# Altium PCB MEA_CLDP.PcbDoc (part 1 of 3)
Units mm, origin at the board's own origin, x right, y up, seen from the top; angles counter-clockwise.
Board outline 188.25 x 87.5 mm, 4 copper layers (Top Copper Layer, Internal Copper Layer 1, Internal Copper Layer 2, Bottom Copper Layer), stack 1.58 mm thick; 138 components, 326 nets, 1047 pads, 188 vias.
Unrouted connection lines stored in the file: 1.
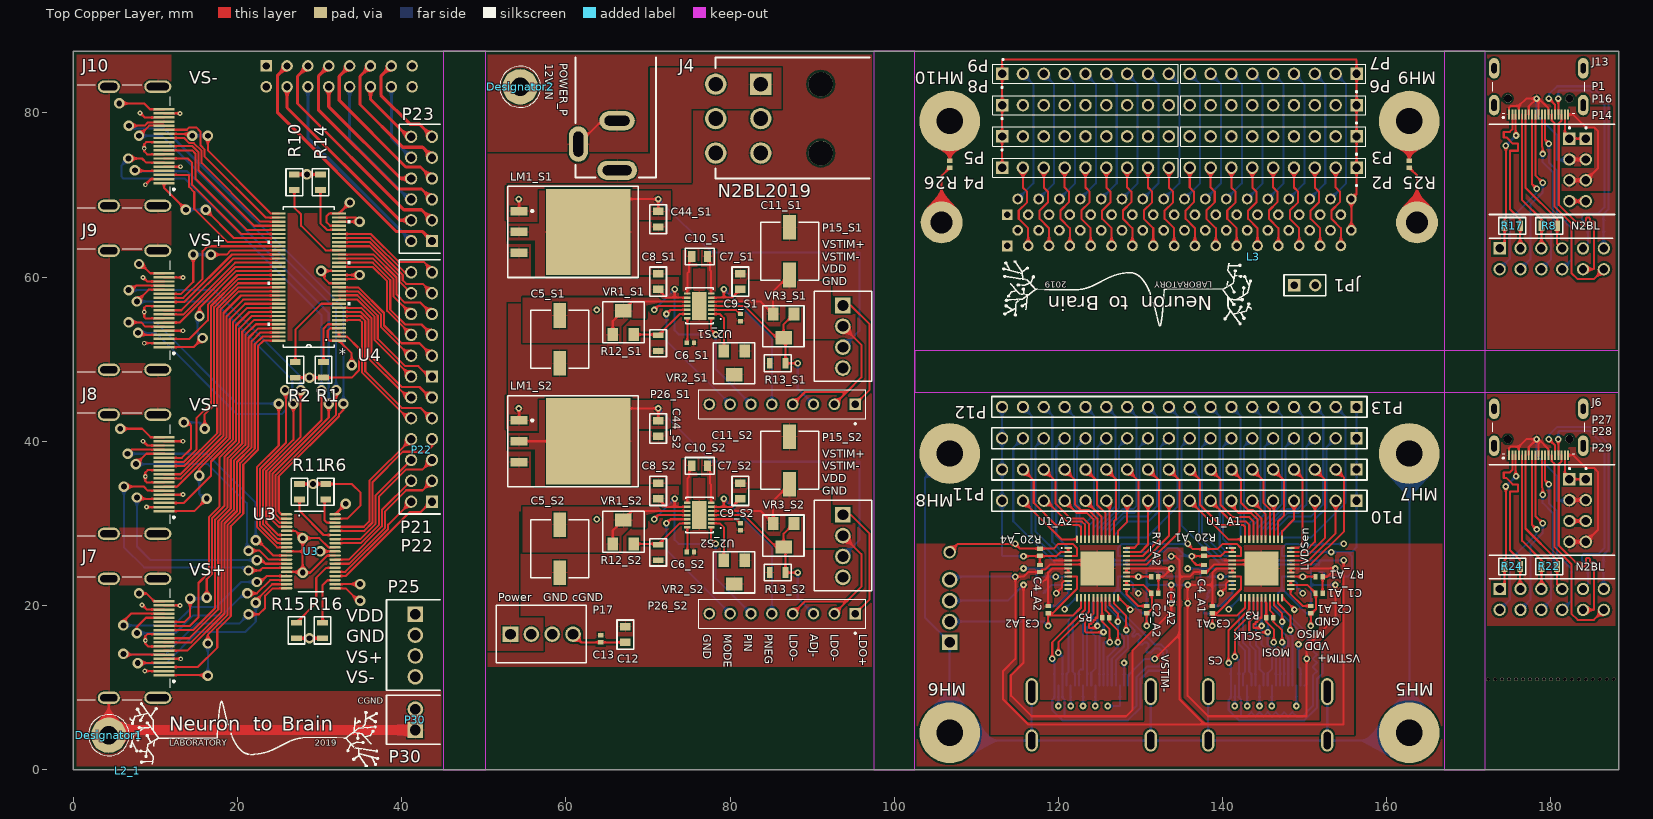
[diagram p0: Top Copper Layer view]
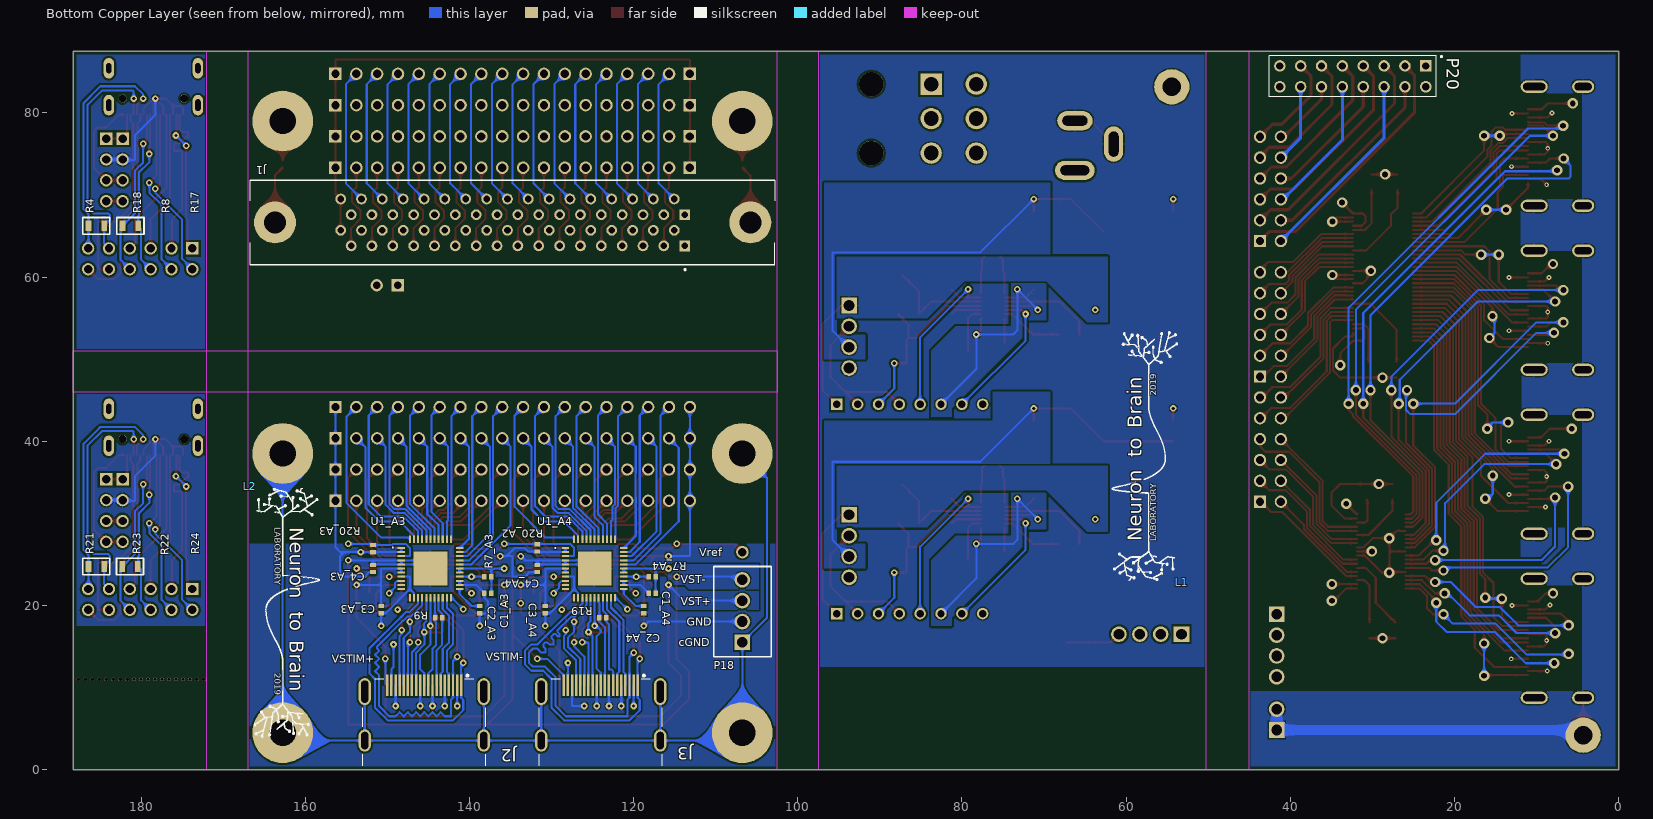
[diagram p1: Bottom Copper Layer view, seen from below]
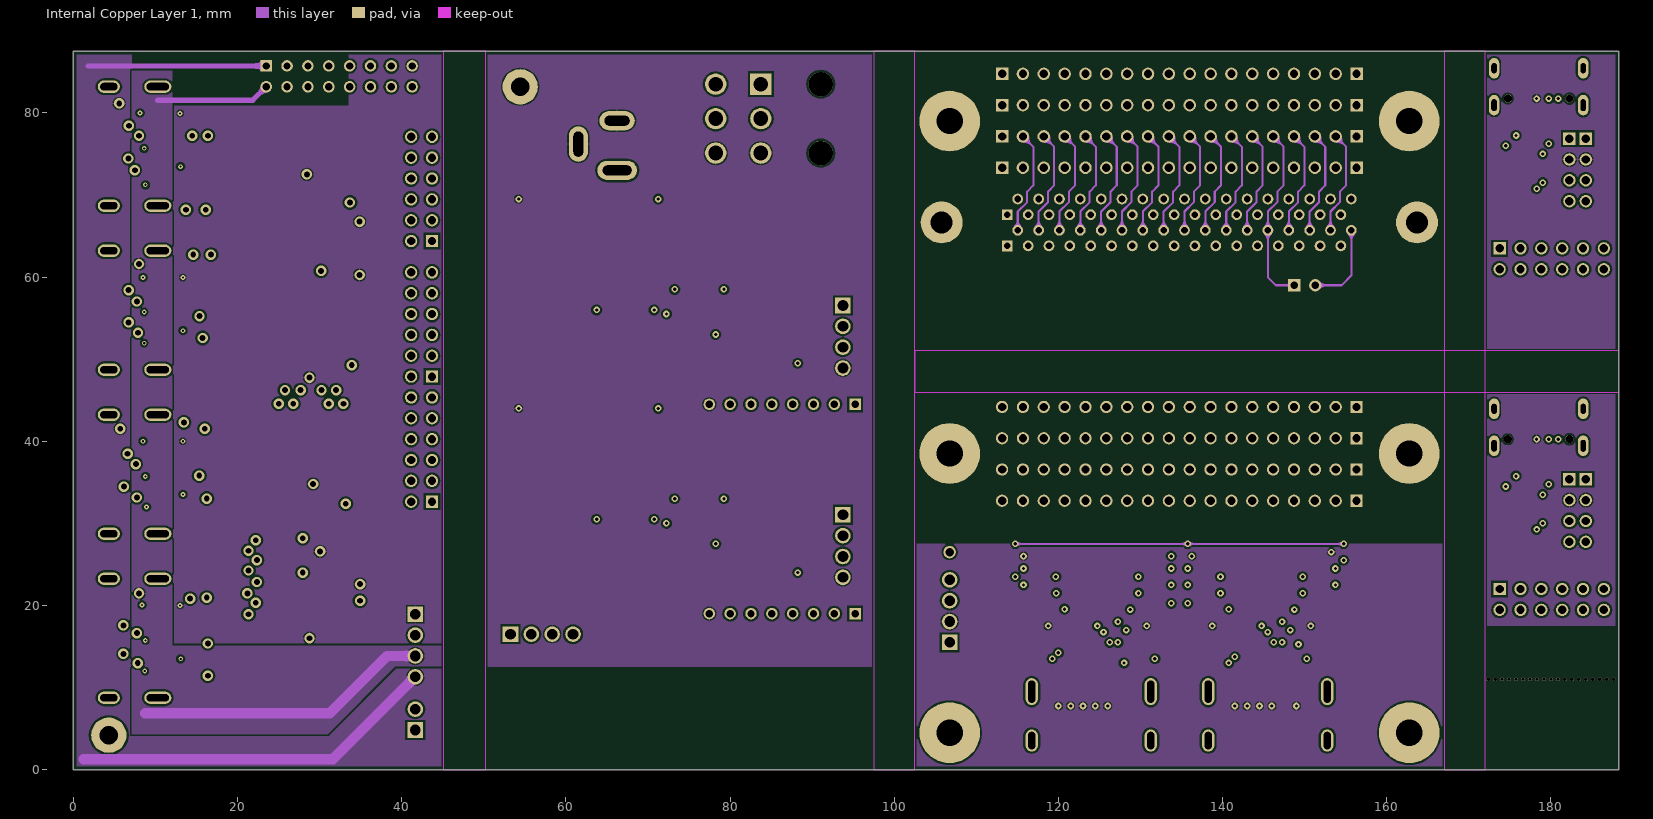
[diagram p2: Internal Copper Layer 1]
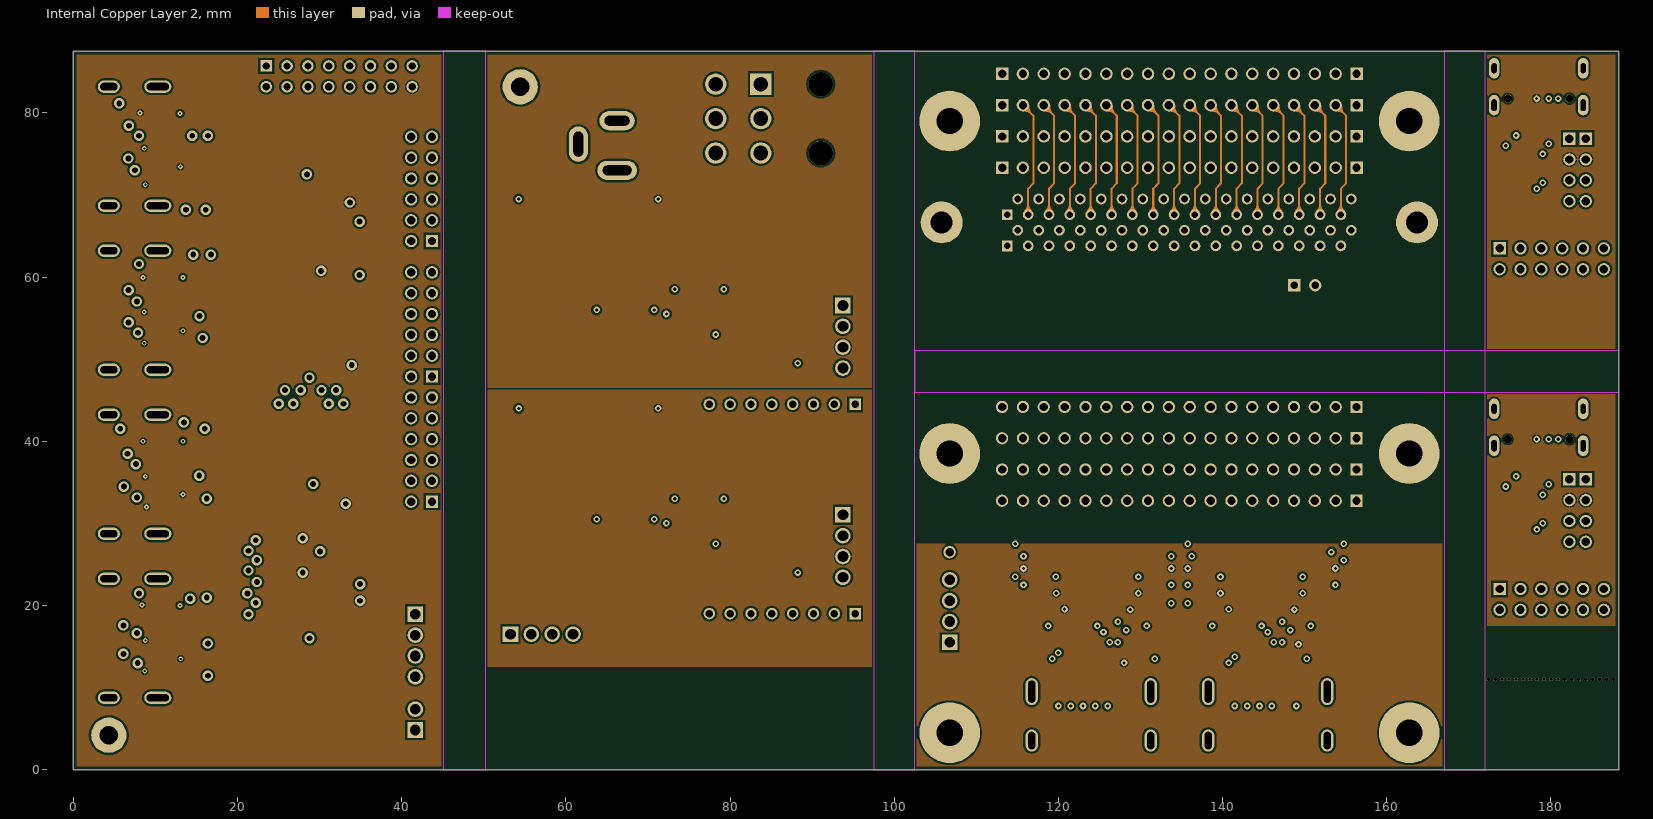
[diagram p3: Internal Copper Layer 2]

## Layer stack, top to bottom
Top Solder: solder mask 0.01, Solder Resist, Dk 3.5
Top Copper Layer: signal copper 0.035
Dielectric 1: prepreg 0.22, FR-4, Dk 4.2
Internal Copper Layer 1: signal copper 0.035
Dielectric 2: core 1, FR-4, Dk 4.2
Internal Copper Layer 2: signal copper 0.035
Dielectric 3: prepreg 0.22, FR-4, Dk 4.2
Bottom Copper Layer: signal copper 0.035
Bottom Solder: solder mask 0.01, Solder Resist, Dk 3.5

## Board outline
0,0 188.25,0 188.25,87.5 0,87.5

## Design rules (kind name [scope] priority, off if disabled: settings)
BoardOutlineClearance [All] p1: gap=0.4 ignorepadtopadclearanceinfootprint=FALSE
Clearance [All] p1: gap=0.15 ignorepadtopadclearanceinfootprint=TRUE
ComponentClearance [All] p1: gap=0.15 collisioncheckmode=3 verticalgap=0.15 showdistances=FALSE
DiffPairsRouting [All] p1: maxlimit=0.254 minlimit=0.254 mostfreqgap=0.254 toplayer_minwidth=0.381 toplayer_maxwidth=0.381 toplayer_prefwidth=0.381 midlayer1_minwidth=0.381 midlayer1_maxwidth=0.381 midlayer1_prefwidth=0.381 midlayer3_minwidth=0.381 midlayer3_maxwidth=0.381 midlayer3_prefwidth=0.381 bottomlayer_minwidth=0.381 bottomlayer_maxwidth=0.381 bottomlayer_prefwidth=0.381 maxuncoupledlength=12.7
HoleSize [All] p1: absolutevalues=TRUE maxlimit=0.4 minlimit=0.25 maxpercent=80.000 minpercent=20.000
HoleToHoleClearance [All] p1: gap=0.45 allowstackedmicrovias=TRUE
MinimumAnnularRing [All] p1: minimumring=0.15
MinimumSolderMaskSliver [All] p1: minsoldermaskwidth=0.15
PlaneClearance [All] p1: clearance=0.15
PlaneConnect [All] p1: planeconnectstyle=Relief reliefexpansion=0.25 reliefentries=4 reliefconductorwidth=0.15 reliefairgap=0.15
PolygonConnect [All] p1: connectstyle=Relief reliefconductorwidth=0.15 reliefentries=4 polygonreliefangle="90 Angle" airgapwidth=0.15
RoutingVias [All] p1: holewidth=0.25 width=0.55 viastyle="Through Hole" minholewidth=0.25 minwidth=0.55 maxholewidth=0.4 maxwidth=0.8
SilkToSilkClearance [All] p1: silktosilkclearance=0.2
SilkToSolderMaskClearance [IsPad] p1: minsilkscreentomaskgap=0.2 clearancetoexposedcopper=TRUE
SolderMaskExpansion [All] p1: expansion=0 istentingtop=FALSE
Width [All] p1: maxlimit=50 minlimit=0.15 preferedwidth=0.15
21 further rules are at their usual default settings.

## Classes and differential pairs
component class H2H2: J6 P27 P28 P29 R21 R22 R23 R24
component class S1: C5_S1 C6_S1 C7_S1 C8_S1 C9_S1 C10_S1 C11_S1 C44_S1 LM1_S1 P15_S1 P26_S1 R12_S1 R13_S1 U2_S1 VR1_S1 VR2_S1 VR3_S1
net class ELECIN_ALL: ELECIN0 ELECIN1 ELECIN2 ELECIN3 ELECIN4 ELECIN5 ELECIN6 ELECIN7 ELECIN8 ELECIN9 ELECIN10 ELECIN11 ELECIN12 ELECIN13 ELECIN14 ELECIN15 ELECIN16 ELECIN17 ELECIN18 ELECIN19 ELECIN20 ELECIN21 ELECIN22 ELECIN23 ELECIN24 ELECIN25 ELECIN26 ELECIN27 ELECIN28 ELECIN29 ELECIN30 ELECIN31 ELECIN32 ELECIN33 ELECIN34 ELECIN35 ELECIN36 ELECIN37 ELECIN38 ELECIN39 ELECIN40 ELECIN41 ELECIN42 ELECIN43 ELECIN44 ELECIN45 ELECIN46 ELECIN47 ELECIN48 ELECIN49 ELECIN50 ELECIN51 ELECIN52 ELECIN53 ELECIN54 ELECIN55 ELECIN56 ELECIN57 ELECIN58 ELECIN59 ELECIN60 ELECIN61 ELECIN62 ELECIN63
net class SIG[0..63]: SIG0 SIG1 SIG2 SIG3 SIG4 SIG5 SIG6 SIG7 SIG8 SIG9 SIG10 SIG11 SIG12 SIG13 SIG14 SIG15 SIG16 SIG17 SIG18 SIG19 SIG20 SIG21 SIG22 SIG23 SIG24 SIG25 SIG26 SIG27 SIG28 SIG29 SIG30 SIG31 SIG32 SIG33 SIG34 SIG35 SIG36 SIG37 SIG38 SIG39 SIG40 SIG41 SIG42 SIG43 SIG44 SIG45 SIG46 SIG47 SIG48 SIG49 SIG50 SIG51 SIG52 SIG53 SIG54 SIG55 SIG56 SIG57 SIG58 SIG59 SIG60 SIG61 SIG62 SIG63
component class A2: C1_A2 C2_A2 C3_A2 C4_A2 R7_A2 R20_A2 U1_A2
component class A3: C1_A3 C2_A3 C3_A3 C4_A3 R7_A3 R20_A3 U1_A3
component class A1: C1_A1 C2_A1 C3_A1 C4_A1 R7_A1 R20_A1 U1_A1
component class A4: C1_A4 C2_A4 C3_A4 C4_A4 R7_A4 R20_A4 U1_A4
component class MEA_CLDP: C12 C13 J1 J2 J3 J4 JP1 L1 L2 L3 MH5 MH6 MH7 MH8 MH9 MH10 P2 P3 P4 P5 P6 P7 P8 P9 P10 P11 P12 P13 P17 P18 POWER_P R3 R5 R9 R19 R25 R26
channel class intanRHS2116: A1 A2 A3 A4
net class SIG_ALL: SIG0 SIG1 SIG2 SIG3 SIG4 SIG5 SIG6 SIG7 SIG8 SIG9 SIG10 SIG11 SIG12 SIG13 SIG14 SIG15 SIG16 SIG17 SIG18 SIG19 SIG20 SIG21 SIG22 SIG23 SIG24 SIG25 SIG26 SIG27 SIG28 SIG29 SIG30 SIG31 SIG32 SIG33 SIG34 SIG35 SIG36 SIG37 SIG38 SIG39 SIG40 SIG41 SIG42 SIG43 SIG44 SIG45 SIG46 SIG47 SIG48 SIG49 SIG50 SIG51 SIG52 SIG53 SIG54 SIG55 SIG56 SIG57 SIG58 SIG59 SIG60 SIG61 SIG62 SIG63
component class H2H1: J13 P1 P14 P16 R4 R8 R17 R18
component class S2: C5_S2 C6_S2 C7_S2 C8_S2 C9_S2 C10_S2 C11_S2 C44_S2 LM1_S2 P15_S2 P26_S2 R12_S2 R13_S2 U2_S2 VR1_S2 VR2_S2 VR3_S2
channel class vstim_power: S1 S2
component class LVDS: J7 J8 J9 J10 P20 P21 P22 P23 P25 P30 R1 R2 R6 R10 R11 R14 R15 R16 U3 U4
net class LVDS_1_Pairs1: MISO1_1_N MISO1_1_P MISO3_1_N MISO3_1_P MOSI1_1_N MOSI1_1_P MOSI3_1_N MOSI3_1_P nCS1_1_N nCS1_1_P SCLK1_1_N SCLK1_1_P
net class LVDS_2_Pairs1: MISO1_2_N MISO1_2_P MISO3_2_N MISO3_2_P MOSI1_2_N MOSI1_2_P MOSI3_2_N MOSI3_2_P nCS1_2_N nCS1_2_P SCLK1_2_N SCLK1_2_P
differential pair SCLK2h: +SCLK2h_P -SCLK2h_N
differential pair SCLK1h: +SCLK1h_P -SCLK1h_N
differential pair nCS2h: +nCS2h_P -nCS2h_N
differential pair nCS1h: +nCS1h_P -nCS1h_N
differential pair MOSI4h: +MOSI4h_P -MOSI4h_N
differential pair MOSI3h: +MOSI3h_P -MOSI3h_N
differential pair MOSI2h: +MOSI2h_P -MOSI2h_N
differential pair MOSI1h: +MOSI1h_P -MOSI1h_N
differential pair MISO4h: +MISO4h_P -MISO4h_N
differential pair MISO3h: +MISO3h_P -MISO3h_N
differential pair MISO2h: +MISO2h_P -MISO2h_N
differential pair MISO1h: +MISO1h_P -MISO1h_N
differential pair B_MISO1: +B_MISO1_P -B_MISO1_N
differential pair B_MOSI1: +B_MOSI1_P -B_MOSI1_N
differential pair B_SCLK1: +B_SCLK1_P -B_SCLK1_N
differential pair MISO1: +MISO1_P -MISO1_N
differential pair MISO2: +MISO2_P -MISO2_N
differential pair MISO3: +MISO3_P -MISO3_N
differential pair MISO4: +MISO4_P -MISO4_N
differential pair MISO5: +MISO5_P -MISO5_N
differential pair MISO6: +MISO6_P -MISO6_N
differential pair MISO7: +MISO7_P -MISO7_N
differential pair MISO8: +MISO8_P -MISO8_N
differential pair MOSI1: +MOSI1_P -MOSI1_N
differential pair MOSI2: +MOSI2_P -MOSI2_N
differential pair MOSI3: +MOSI3_P -MOSI3_N
differential pair MOSI4: +MOSI4_P -MOSI4_N
differential pair MOSI5: +MOSI5_P -MOSI5_N
differential pair MOSI6: +MOSI6_P -MOSI6_N
differential pair MOSI7: +MOSI7_P -MOSI7_N
differential pair MOSI8: +MOSI8_P -MOSI8_N
differential pair nCS1: +nCS1_P -nCS1_N
differential pair nCS2: +nCS2_P -nCS2_N
differential pair nCS3: +nCS3_P -nCS3_N
differential pair nCS4: +nCS4_P -nCS4_N
differential pair SCLK1: +SCLK1_P -SCLK1_N
differential pair SCLK2: +SCLK2_P -SCLK2_N
differential pair SCLK3: +SCLK3_P -SCLK3_N
differential pair SCLK4: +SCLK4_P -SCLK4_N
differential pair MISO1_1: +MISO1_1_P -MISO1_1_N
differential pair MISO1_2: +MISO1_2_P -MISO1_2_N
differential pair MISO3_1: +MISO3_1_P -MISO3_1_N
differential pair MISO3_2: +MISO3_2_P -MISO3_2_N
differential pair MOSI1_1: +MOSI1_1_P -MOSI1_1_N
differential pair MOSI1_2: +MOSI1_2_P -MOSI1_2_N
differential pair MOSI3_1: +MOSI3_1_P -MOSI3_1_N
differential pair MOSI3_2: +MOSI3_2_P -MOSI3_2_N
differential pair nCS1_1: +nCS1_1_P -nCS1_1_N
differential pair nCS1_2: +nCS1_2_P -nCS1_2_N
differential pair SCLK1_1: +SCLK1_1_P -SCLK1_1_N
differential pair SCLK1_2: +SCLK1_2_P -SCLK1_2_N

## Components (designator, comment, footprint, x,y, rotation, side; value= is the part's Value field where it differs from the comment)
C1_A1 "capacitor_npol_ame" rcl_0402i_1005m_most 151.75,21.5 r0 top value=100nF (schematic designator C1)
C1_A2 "capacitor_npol_ame" rcl_0402i_1005m_most 131.75,21.5 r0 top value=100nF (schematic designator C1)
C1_A3 "capacitor_npol_ame" rcl_0402i_1005m_most 137.75,21.5 r180 bottom value=100nF (schematic designator C1)
C1_A4 "capacitor_npol_ame" rcl_0402i_1005m_most 117.75,21.5 r180 bottom value=100nF (schematic designator C1)
C2_A1 "capacitor_npol_ame" rcl_0402i_1005m_most 150.75,19.5 r90 top value=10nF (schematic designator C2)
C2_A2 "capacitor_npol_ame" rcl_0402i_1005m_most 130.75,19.5 r90 top value=10nF (schematic designator C2)
C2_A3 "capacitor_npol_ame" rcl_0402i_1005m_most 138.75,19.5 r90 bottom value=10nF (schematic designator C2)
C2_A4 "capacitor_npol_ame" rcl_0402i_1005m_most 118.75,19.5 r90 bottom value=10nF (schematic designator C2)
C3_A1 "capacitor_npol_ame" rcl_0402i_1005m_most 138.75,19.5 r90 top value=100nF (schematic designator C3)
C3_A2 "capacitor_npol_ame" rcl_0402i_1005m_most 118.75,19.5 r90 top value=100nF (schematic designator C3)
C3_A3 "capacitor_npol_ame" rcl_0402i_1005m_most 150.75,19.5 r90 bottom value=100nF (schematic designator C3)
C3_A4 "capacitor_npol_ame" rcl_0402i_1005m_most 130.75,19.5 r90 bottom value=100nF (schematic designator C3)
C4_A1 "capacitor_npol_ame" rcl_0402i_1005m_most 137.75,24.5 r270 top value=100nF (schematic designator C4)
C4_A2 "capacitor_npol_ame" rcl_0402i_1005m_most 117.75,24.5 r270 top value=100nF (schematic designator C4)
C4_A3 "capacitor_npol_ame" rcl_0402i_1005m_most 151.75,24.5 r90 bottom value=100nF (schematic designator C4)
C4_A4 "capacitor_npol_ame" rcl_0402i_1005m_most 131.75,24.5 r90 bottom value=100nF (schematic designator C4)
C5_S1 "100uF" CAP_EEFK_D 59.25,52.411 r90 top (schematic designator C5)
C5_S2 "100uF" CAP_EEFK_D 59.25,26.911 r90 top (schematic designator C5)
C6_S1 "capacitor_npol_ame" rcl_0402i_1005m_nominal 75.18,52.003 r180 top value=10nF (schematic designator C6)
C6_S2 "capacitor_npol_ame" rcl_0402i_1005m_nominal 75.18,26.503 r180 top value=10nF (schematic designator C6)
C7_S1 "10uF" C0805 81.25,60.403 r270 top (schematic designator C7)
C7_S2 "10uF" C0805 81.25,34.903 r270 top (schematic designator C7)
C8_S1 "10uF" C0805 71.25,60.403 r270 top (schematic designator C8)
C8_S2 "10uF" C0805 71.25,34.903 r270 top (schematic designator C8)
C9_S1 "capacitor_npol_ame" rcl_0402i_1005m_nominal 81.25,55.073 r90 top value=10nF (schematic designator C9)
C9_S2 "capacitor_npol_ame" rcl_0402i_1005m_nominal 81.25,29.573 r90 top value=10nF (schematic designator C9)
C10_S1 "1uF" C0805 75.35,62.503 r0 top (schematic designator C10)
C10_S2 "1uF" C0805 75.35,37.003 r0 top (schematic designator C10)
C11_S1 "100uF" CAP_EEFK_D 87.25,63.161 r270 top (schematic designator C11)
C11_S2 "100uF" CAP_EEFK_D 87.25,37.661 r270 top (schematic designator C11)
C12 "10uF" C0805 67.25,15.503 r90 top
C13 "capacitor_npol_ame" rcl_0402i_1005m_most 64.25,15.933 r90 top value=100nF
C44_S1 "1uF" C0805 71.25,66.103 r90 top (schematic designator C44)
C44_S2 "1uF" C0805 71.25,40.603 r90 top (schematic designator C44)
Designator1 "Comment" "M2X0.4 Plated Loose Fit" 4.318,4.191 r0 top
Designator2 "Comment" "M2X0.4 Plated Loose Fit" 54.441,83.182 r270 top
J1 "Connector 68" CONN_2-5174339-5_2-5174339-5(Primary) 134.73,66.656 r0 bottom
J2 "1747981-2" TE_1747981-2_1747981-2(Primary) 145.5,9.5 r180 bottom
J3 "1747981-2" TE_1747981-2_1747981-2(Primary) 124,9.5 r180 bottom
J4 "0039301060" 0039301060 83.75,83.503 r90 top
J6 "2001-1-2-21-00-BK" *CNC_2001-1-2-21-00-BK_2001-1-2-21-00-BK(Primary) 178.5,39.45 r180 top
J7 "1747981-2" TE_1747981-2_1747981-2(Primary) 10.287,16.002 r270 top
J8 "1747981-2" TE_1747981-2_1747981-2(Primary) 10.287,35.983 r270 top
J9 "1747981-2" TE_1747981-2_1747981-2(Primary) 10.287,55.965 r270 top
J10 "1747981-2" TE_1747981-2_1747981-2(Primary) 10.287,75.946 r270 top
J13 "2001-1-2-21-00-BK" *CNC_2001-1-2-21-00-BK_2001-1-2-21-00-BK(Primary) 178.5,80.95 r180 top
JP1 "01x02" HDR1X2 148.75,59.003 r0 top
L1 "Logo" N2BL_LOGO 53.25,22.815 r90 bottom
L2 "Logo" N2BL_LOGO 166.75,34.5 r270 bottom
L2_1 "Logo" N2BL_LOGO 6.655,-0.152 r0 top
L3 "Logo" N2BL_LOGO 143.75,62.5 r180 top
LM1_S1 "3.3V" LM1085 54.3,68.043 r270 top (schematic designator LM1)
LM1_S2 "3.3V" LM1085 54.3,42.543 r270 top (schematic designator LM1)
MH5 "MH_7.4MMC_3.2MMD" MH_7.4MMD_3.2MMD 162.75,4.5 r180 top
MH6 "MH_7.4MMC_3.2MMD" MH_7.4MMD_3.2MMD 106.75,4.5 r180 top
MH7 "MH_7.4MMC_3.2MMD" MH_7.4MMD_3.2MMD 162.75,38.5 r180 top
MH8 "MH_7.4MMC_3.2MMD" MH_7.4MMD_3.2MMD 106.75,38.5 r180 top
MH9 "MH_7.4MMC_3.2MMD" MH_7.4MMD_3.2MMD 162.75,79.003 r180 top
MH10 "MH_7.4MMC_3.2MMD" MH_7.4MMD_3.2MMD 106.75,79.003 r180 top
P1 "Header 4H" PPTC041LGBN-RC 182.25,76.87 r270 top
P2 "Header 9_male" TE_3-644456-9 146.16,73.323 r180 top
P3 "Header 9_male" TE_3-644456-9 146.16,77.133 r180 top
P4 "Header 9_male" TE_3-644456-9 123.3,73.323 r0 top
P5 "Header 9_male" TE_3-644456-9 123.3,77.133 r0 top
P6 "Header 9_male" TE_3-644456-9 146.16,80.943 r180 top
P7 "Header 9_male" TE_3-644456-9 146.16,84.753 r180 top
P8 "Header 9_male" TE_3-644456-9 123.3,80.943 r0 top
P9 "Header 9_male" TE_3-644456-9 123.3,84.753 r0 top
P10 "Header 18H" PPPC181LFBN-RC 156.32,32.75 r180 top
P11 "Header 18H" PPPC181LFBN-RC 156.32,36.56 r180 top
P12 "Header 18H" PPPC181LFBN-RC 156.32,40.37 r180 top
P13 "Header 18H" PPPC181LFBN-RC 156.32,44.18 r180 top
P14 "Header 6X2A" PPPC062LJBN-RC 173.75,63.5 r0 top
P15_S1 "Header 4" OSTVN04A150 93.75,56.543 r270 top (schematic designator P15)
P15_S2 "Header 4" OSTVN04A150 93.75,31.043 r270 top (schematic designator P15)
P16 "Header 4H" PEC04SBAN 184.25,76.87 r270 top
P17 "Header 4" OSTVN04A150 53.25,16.503 r0 top
P18 "Header 4" OSTVN04A150 106.75,15.5 r90 bottom
P20 "Header 8X2" TE_534998-8 32.385,84.455 r0 bottom
P21 "Header 6X2" 0010897120 43.688,47.879 r90 top
P22 "Header 6X2" 0010897120 43.688,32.639 r90 top
P23 "Header 6X2" 0010897120 43.688,64.389 r90 top
P25 "Header 4" OSTVN04A150 41.656,18.923 r270 top
P26_S1 "Header 8" TE_5-535541-6 86.36,44.503 r180 top (schematic designator P26)
P26_S2 "Header 8" TE_5-535541-6 86.36,19.003 r180 top (schematic designator P26)
P27 "Header 4H" PPTC041LGBN-RC 182.25,35.37 r270 top
P28 "Header 4H" PEC04SBAN 184.25,35.37 r270 top
P29 "Header 6X2A" PPPC062LJBN-RC 173.75,22 r0 top
P30 "Header 2" OSTVN02A150 41.656,4.826 r90 top